# KiCad board led_mapper_850.kicad_pcb (continued)
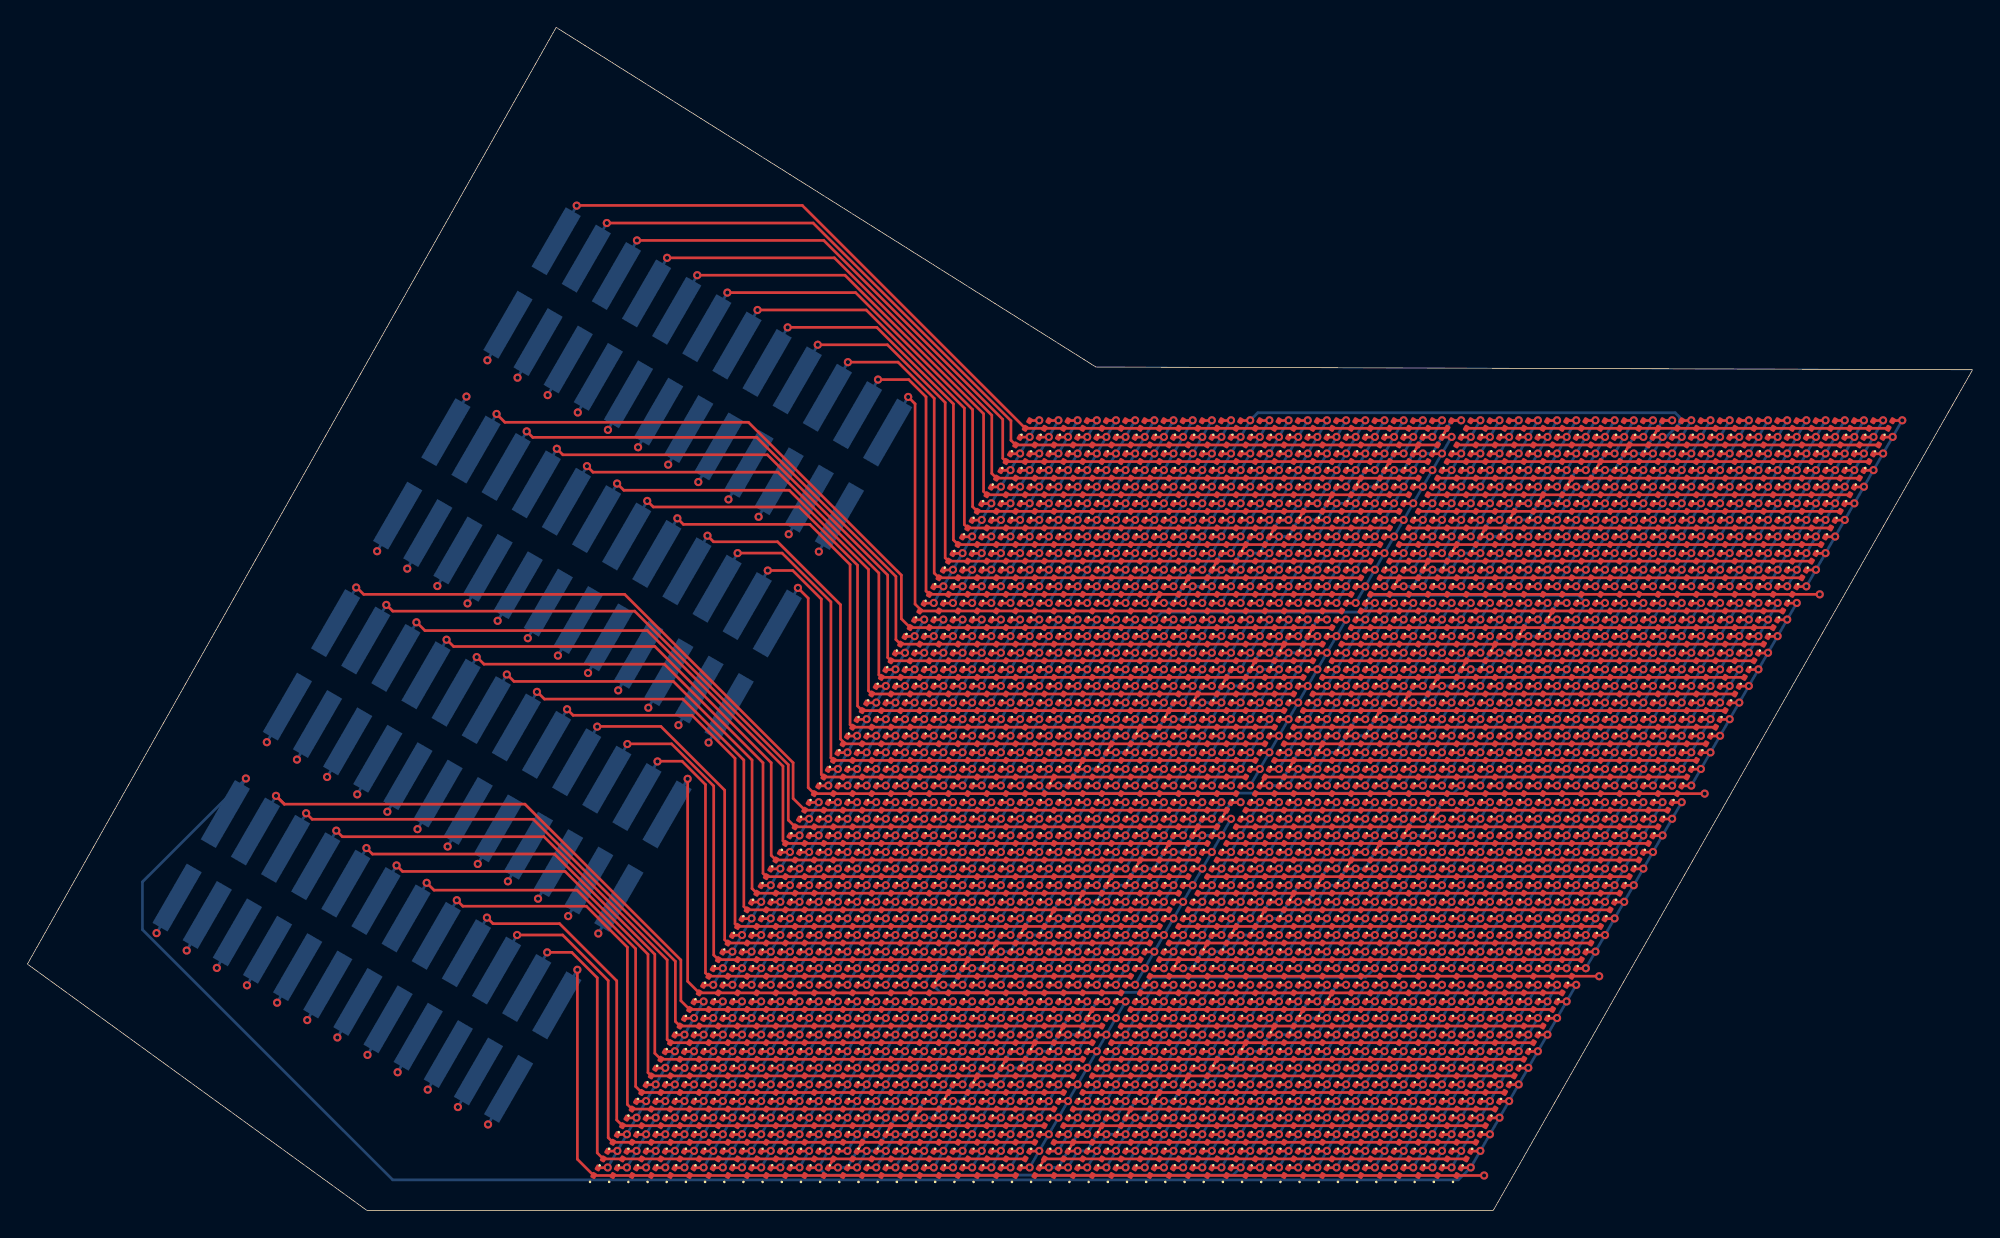
[diagram p0: board, top side]
## Placement (name value [footprint] x y rotation side) (continued)
D954  LED  [LED_0201_0603Metric]  112.9 41.64 60 top
D955  LED  [LED_0201_0603Metric]  111.5 41.64 60 top
D956  LED  [LED_0201_0603Metric]  110.1 41.64 60 top
D957  LED  [LED_0201_0603Metric]  108.7 41.64 60 top
D958  LED  [LED_0201_0603Metric]  107.3 41.64 60 top
D959  LED  [LED_0201_0603Metric]  105.9 41.64 60 top
D960  LED  [LED_0201_0603Metric]  104.5 41.64 60 top
D961  LED  [LED_0201_0603Metric]  103.1 41.64 60 top
D962  LED  [LED_0201_0603Metric]  101.7 41.64 60 top
D963  LED  [LED_0201_0603Metric]  100.3 41.64 60 top
D964  LED  [LED_0201_0603Metric]  98.9 41.64 60 top
D965  LED  [LED_0201_0603Metric]  97.5 41.64 60 top
D966  LED  [LED_0201_0603Metric]  96.1 41.64 60 top
D967  LED  [LED_0201_0603Metric]  94.7 41.64 60 top
D968  LED  [LED_0201_0603Metric]  93.3 41.64 60 top
D969  LED  [LED_0201_0603Metric]  91.9 41.64 60 top
D970  LED  [LED_0201_0603Metric]  90.5 41.64 60 top
D971  LED  [LED_0201_0603Metric]  89.1 41.64 60 top
D972  LED  [LED_0201_0603Metric]  87.7 41.64 60 top
D973  LED  [LED_0201_0603Metric]  86.3 41.64 60 top
D974  LED  [LED_0201_0603Metric]  84.9 41.64 60 top
D975  LED  [LED_0201_0603Metric]  83.5 41.64 60 top
D976  LED  [LED_0201_0603Metric]  82.1 41.64 60 top
D977  LED  [LED_0201_0603Metric]  80.7 41.64 60 top
D978  LED  [LED_0201_0603Metric]  79.3 41.64 60 top
D979  LED  [LED_0201_0603Metric]  77.9 41.64 60 top
D980  LED  [LED_0201_0603Metric]  76.5 41.64 60 top
D981  LED  [LED_0201_0603Metric]  75.1 41.64 60 top
D982  LED  [LED_0201_0603Metric]  73.7 41.64 60 top
D983  LED  [LED_0201_0603Metric]  72.3 41.64 60 top
D984  LED  [LED_0201_0603Metric]  70.9 41.64 60 top
D985  LED  [LED_0201_0603Metric]  69.5 41.64 60 top
D986  LED  [LED_0201_0603Metric]  68.1 41.64 60 top
D987  LED  [LED_0201_0603Metric]  66.7 41.64 60 top
D988  LED  [LED_0201_0603Metric]  65.3 41.64 60 top
D989  LED  [LED_0201_0603Metric]  63.9 41.64 60 top
D990  LED  [LED_0201_0603Metric]  127.6 42.85 60 top
D991  LED  [LED_0201_0603Metric]  126.2 42.85 60 top
D992  LED  [LED_0201_0603Metric]  124.8 42.85 60 top
D993  LED  [LED_0201_0603Metric]  123.4 42.85 60 top
D994  LED  [LED_0201_0603Metric]  122 42.85 60 top
D995  LED  [LED_0201_0603Metric]  120.6 42.85 60 top
D996  LED  [LED_0201_0603Metric]  119.2 42.85 60 top
D997  LED  [LED_0201_0603Metric]  117.8 42.85 60 top
D998  LED  [LED_0201_0603Metric]  116.4 42.85 60 top
D999  LED  [LED_0201_0603Metric]  115 42.85 60 top
D1000  LED  [LED_0201_0603Metric]  113.6 42.85 60 top
D1001  LED  [LED_0201_0603Metric]  112.2 42.85 60 top
D1002  LED  [LED_0201_0603Metric]  110.8 42.85 60 top
D1003  LED  [LED_0201_0603Metric]  109.4 42.85 60 top
D1004  LED  [LED_0201_0603Metric]  108 42.85 60 top
D1005  LED  [LED_0201_0603Metric]  106.6 42.85 60 top
D1006  LED  [LED_0201_0603Metric]  105.2 42.85 60 top
D1007  LED  [LED_0201_0603Metric]  103.8 42.85 60 top
D1008  LED  [LED_0201_0603Metric]  102.4 42.85 60 top
D1009  LED  [LED_0201_0603Metric]  101 42.85 60 top
D1010  LED  [LED_0201_0603Metric]  99.6 42.85 60 top
D1011  LED  [LED_0201_0603Metric]  98.2 42.85 60 top
D1012  LED  [LED_0201_0603Metric]  96.8 42.85 60 top
D1013  LED  [LED_0201_0603Metric]  95.4 42.85 60 top
D1014  LED  [LED_0201_0603Metric]  94 42.85 60 top
D1015  LED  [LED_0201_0603Metric]  92.6 42.85 60 top
D1016  LED  [LED_0201_0603Metric]  91.2 42.85 60 top
D1017  LED  [LED_0201_0603Metric]  89.8 42.85 60 top
D1018  LED  [LED_0201_0603Metric]  88.4 42.85 60 top
D1019  LED  [LED_0201_0603Metric]  87 42.85 60 top
D1020  LED  [LED_0201_0603Metric]  85.6 42.85 60 top
D1021  LED  [LED_0201_0603Metric]  84.2 42.85 60 top
D1022  LED  [LED_0201_0603Metric]  82.8 42.85 60 top
D1023  LED  [LED_0201_0603Metric]  81.4 42.85 60 top
D1024  LED  [LED_0201_0603Metric]  80 42.85 60 top
D1025  LED  [LED_0201_0603Metric]  78.6 42.85 60 top
D1026  LED  [LED_0201_0603Metric]  77.2 42.85 60 top
D1027  LED  [LED_0201_0603Metric]  75.8 42.85 60 top
D1028  LED  [LED_0201_0603Metric]  74.4 42.85 60 top
D1029  LED  [LED_0201_0603Metric]  73 42.85 60 top
D1030  LED  [LED_0201_0603Metric]  71.6 42.85 60 top
D1031  LED  [LED_0201_0603Metric]  70.2 42.85 60 top
D1032  LED  [LED_0201_0603Metric]  68.8 42.85 60 top
D1033  LED  [LED_0201_0603Metric]  67.4 42.85 60 top
D1034  LED  [LED_0201_0603Metric]  66 42.85 60 top
D1035  LED  [LED_0201_0603Metric]  64.6 42.85 60 top
D1036  LED  [LED_0201_0603Metric]  128.3 44.06 60 top
D1037  LED  [LED_0201_0603Metric]  126.9 44.06 60 top
D1038  LED  [LED_0201_0603Metric]  125.5 44.06 60 top
D1039  LED  [LED_0201_0603Metric]  124.1 44.06 60 top
D1040  LED  [LED_0201_0603Metric]  122.7 44.06 60 top
D1041  LED  [LED_0201_0603Metric]  121.3 44.06 60 top
D1042  LED  [LED_0201_0603Metric]  119.9 44.06 60 top
D1043  LED  [LED_0201_0603Metric]  118.5 44.06 60 top
D1044  LED  [LED_0201_0603Metric]  117.1 44.06 60 top
D1045  LED  [LED_0201_0603Metric]  115.7 44.06 60 top
D1046  LED  [LED_0201_0603Metric]  114.3 44.06 60 top
D1047  LED  [LED_0201_0603Metric]  112.9 44.06 60 top
D1048  LED  [LED_0201_0603Metric]  111.5 44.06 60 top
D1049  LED  [LED_0201_0603Metric]  110.1 44.06 60 top
D1050  LED  [LED_0201_0603Metric]  108.7 44.06 60 top
D1051  LED  [LED_0201_0603Metric]  107.3 44.06 60 top
D1052  LED  [LED_0201_0603Metric]  105.9 44.06 60 top
D1053  LED  [LED_0201_0603Metric]  104.5 44.06 60 top
D1054  LED  [LED_0201_0603Metric]  103.1 44.06 60 top
D1055  LED  [LED_0201_0603Metric]  101.7 44.06 60 top
D1056  LED  [LED_0201_0603Metric]  100.3 44.06 60 top
D1057  LED  [LED_0201_0603Metric]  98.9 44.06 60 top
D1058  LED  [LED_0201_0603Metric]  97.5 44.06 60 top
D1059  LED  [LED_0201_0603Metric]  56.9 29.51 60 top
D1060  LED  [LED_0201_0603Metric]  58.3 29.51 60 top
D1061  LED  [LED_0201_0603Metric]  59.7 29.51 60 top
D1062  LED  [LED_0201_0603Metric]  61.1 29.51 60 top
D1063  LED  [LED_0201_0603Metric]  62.5 29.51 60 top
D1064  LED  [LED_0201_0603Metric]  63.9 29.51 60 top
D1065  LED  [LED_0201_0603Metric]  65.3 29.51 60 top
D1066  LED  [LED_0201_0603Metric]  66.7 29.51 60 top
D1067  LED  [LED_0201_0603Metric]  68.1 29.51 60 top
D1068  LED  [LED_0201_0603Metric]  69.5 29.51 60 top
D1069  LED  [LED_0201_0603Metric]  70.9 29.51 60 top
D1070  LED  [LED_0201_0603Metric]  72.3 29.51 60 top
D1071  LED  [LED_0201_0603Metric]  73.7 29.51 60 top
D1072  LED  [LED_0201_0603Metric]  75.1 29.51 60 top
D1073  LED  [LED_0201_0603Metric]  76.5 29.51 60 top
D1074  LED  [LED_0201_0603Metric]  77.9 29.51 60 top
D1075  LED  [LED_0201_0603Metric]  79.3 29.51 60 top
D1076  LED  [LED_0201_0603Metric]  80.7 29.51 60 top
D1077  LED  [LED_0201_0603Metric]  82.1 29.51 60 top
D1078  LED  [LED_0201_0603Metric]  83.5 29.51 60 top
D1079  LED  [LED_0201_0603Metric]  84.9 29.51 60 top
D1080  LED  [LED_0201_0603Metric]  86.3 29.51 60 top
D1081  LED  [LED_0201_0603Metric]  87.7 29.51 60 top
D1082  LED  [LED_0201_0603Metric]  89.1 29.51 60 top
D1083  LED  [LED_0201_0603Metric]  90.5 29.51 60 top
D1084  LED  [LED_0201_0603Metric]  91.9 29.51 60 top
D1085  LED  [LED_0201_0603Metric]  93.3 29.51 60 top
D1086  LED  [LED_0201_0603Metric]  94.7 29.51 60 top
D1087  LED  [LED_0201_0603Metric]  96.1 29.51 60 top
D1088  LED  [LED_0201_0603Metric]  97.5 29.51 60 top
D1089  LED  [LED_0201_0603Metric]  98.9 29.51 60 top
D1090  LED  [LED_0201_0603Metric]  100.3 29.51 60 top
D1091  LED  [LED_0201_0603Metric]  101.7 29.51 60 top
D1092  LED  [LED_0201_0603Metric]  103.1 29.51 60 top
D1093  LED  [LED_0201_0603Metric]  104.5 29.51 60 top
D1094  LED  [LED_0201_0603Metric]  105.9 29.51 60 top
D1095  LED  [LED_0201_0603Metric]  107.3 29.51 60 top
D1096  LED  [LED_0201_0603Metric]  108.7 29.51 60 top
D1097  LED  [LED_0201_0603Metric]  110.1 29.51 60 top
D1098  LED  [LED_0201_0603Metric]  111.5 29.51 60 top
D1099  LED  [LED_0201_0603Metric]  112.9 29.51 60 top
D1100  LED  [LED_0201_0603Metric]  114.3 29.51 60 top
D1101  LED  [LED_0201_0603Metric]  115.7 29.51 60 top
D1102  LED  [LED_0201_0603Metric]  117.1 29.51 60 top
D1103  LED  [LED_0201_0603Metric]  118.5 29.51 60 top
D1104  LED  [LED_0201_0603Metric]  119.9 29.51 60 top
D1105  LED  [LED_0201_0603Metric]  56.2 28.3 60 top
D1106  LED  [LED_0201_0603Metric]  57.6 28.3 60 top
D1107  LED  [LED_0201_0603Metric]  59 28.3 60 top
D1108  LED  [LED_0201_0603Metric]  60.4 28.3 60 top
D1109  LED  [LED_0201_0603Metric]  61.8 28.3 60 top
D1110  LED  [LED_0201_0603Metric]  63.2 28.3 60 top
D1111  LED  [LED_0201_0603Metric]  64.6 28.3 60 top
D1112  LED  [LED_0201_0603Metric]  66 28.3 60 top
D1113  LED  [LED_0201_0603Metric]  67.4 28.3 60 top
D1114  LED  [LED_0201_0603Metric]  68.8 28.3 60 top
D1115  LED  [LED_0201_0603Metric]  70.2 28.3 60 top
D1116  LED  [LED_0201_0603Metric]  71.6 28.3 60 top
D1117  LED  [LED_0201_0603Metric]  73 28.3 60 top
D1118  LED  [LED_0201_0603Metric]  74.4 28.3 60 top
D1119  LED  [LED_0201_0603Metric]  75.8 28.3 60 top
D1120  LED  [LED_0201_0603Metric]  77.2 28.3 60 top
D1121  LED  [LED_0201_0603Metric]  78.6 28.3 60 top
D1122  LED  [LED_0201_0603Metric]  80 28.3 60 top
D1123  LED  [LED_0201_0603Metric]  81.4 28.3 60 top
D1124  LED  [LED_0201_0603Metric]  82.8 28.3 60 top
D1125  LED  [LED_0201_0603Metric]  84.2 28.3 60 top
D1126  LED  [LED_0201_0603Metric]  85.6 28.3 60 top
D1127  LED  [LED_0201_0603Metric]  87 28.3 60 top
D1128  LED  [LED_0201_0603Metric]  88.4 28.3 60 top
D1129  LED  [LED_0201_0603Metric]  89.8 28.3 60 top
D1130  LED  [LED_0201_0603Metric]  91.2 28.3 60 top
D1131  LED  [LED_0201_0603Metric]  92.6 28.3 60 top
D1132  LED  [LED_0201_0603Metric]  94 28.3 60 top
D1133  LED  [LED_0201_0603Metric]  95.4 28.3 60 top
D1134  LED  [LED_0201_0603Metric]  96.8 28.3 60 top
D1135  LED  [LED_0201_0603Metric]  98.2 28.3 60 top
D1136  LED  [LED_0201_0603Metric]  99.6 28.3 60 top
D1137  LED  [LED_0201_0603Metric]  101 28.3 60 top
D1138  LED  [LED_0201_0603Metric]  102.4 28.3 60 top
D1139  LED  [LED_0201_0603Metric]  103.8 28.3 60 top
D1140  LED  [LED_0201_0603Metric]  105.2 28.3 60 top
D1141  LED  [LED_0201_0603Metric]  106.6 28.3 60 top
D1142  LED  [LED_0201_0603Metric]  108 28.3 60 top
D1143  LED  [LED_0201_0603Metric]  109.4 28.3 60 top
D1144  LED  [LED_0201_0603Metric]  110.8 28.3 60 top
D1145  LED  [LED_0201_0603Metric]  112.2 28.3 60 top
D1146  LED  [LED_0201_0603Metric]  113.6 28.3 60 top
D1147  LED  [LED_0201_0603Metric]  115 28.3 60 top
D1148  LED  [LED_0201_0603Metric]  116.4 28.3 60 top
D1149  LED  [LED_0201_0603Metric]  117.8 28.3 60 top
D1150  LED  [LED_0201_0603Metric]  119.2 28.3 60 top
D1151  LED  [LED_0201_0603Metric]  55.5 27.09 60 top
D1152  LED  [LED_0201_0603Metric]  56.9 27.09 60 top
D1153  LED  [LED_0201_0603Metric]  58.3 27.09 60 top
D1154  LED  [LED_0201_0603Metric]  59.7 27.09 60 top
D1155  LED  [LED_0201_0603Metric]  61.1 27.09 60 top
D1156  LED  [LED_0201_0603Metric]  62.5 27.09 60 top
D1157  LED  [LED_0201_0603Metric]  63.9 27.09 60 top
D1158  LED  [LED_0201_0603Metric]  65.3 27.09 60 top
D1159  LED  [LED_0201_0603Metric]  66.7 27.09 60 top
D1160  LED  [LED_0201_0603Metric]  68.1 27.09 60 top
D1161  LED  [LED_0201_0603Metric]  69.5 27.09 60 top
D1162  LED  [LED_0201_0603Metric]  70.9 27.09 60 top
D1163  LED  [LED_0201_0603Metric]  72.3 27.09 60 top
D1164  LED  [LED_0201_0603Metric]  73.7 27.09 60 top
D1165  LED  [LED_0201_0603Metric]  75.1 27.09 60 top
D1166  LED  [LED_0201_0603Metric]  76.5 27.09 60 top
D1167  LED  [LED_0201_0603Metric]  77.9 27.09 60 top
D1168  LED  [LED_0201_0603Metric]  79.3 27.09 60 top
D1169  LED  [LED_0201_0603Metric]  80.7 27.09 60 top
D1170  LED  [LED_0201_0603Metric]  82.1 27.09 60 top
D1171  LED  [LED_0201_0603Metric]  83.5 27.09 60 top
D1172  LED  [LED_0201_0603Metric]  84.9 27.09 60 top
D1173  LED  [LED_0201_0603Metric]  86.3 27.09 60 top
D1174  LED  [LED_0201_0603Metric]  87.7 27.09 60 top
D1175  LED  [LED_0201_0603Metric]  89.1 27.09 60 top
D1176  LED  [LED_0201_0603Metric]  90.5 27.09 60 top
D1177  LED  [LED_0201_0603Metric]  91.9 27.09 60 top
D1178  LED  [LED_0201_0603Metric]  93.3 27.09 60 top
D1179  LED  [LED_0201_0603Metric]  94.7 27.09 60 top
D1180  LED  [LED_0201_0603Metric]  96.1 27.09 60 top
D1181  LED  [LED_0201_0603Metric]  97.5 27.09 60 top
D1182  LED  [LED_0201_0603Metric]  98.9 27.09 60 top
D1183  LED  [LED_0201_0603Metric]  100.3 27.09 60 top
D1184  LED  [LED_0201_0603Metric]  101.7 27.09 60 top
D1185  LED  [LED_0201_0603Metric]  103.1 27.09 60 top
D1186  LED  [LED_0201_0603Metric]  104.5 27.09 60 top
D1187  LED  [LED_0201_0603Metric]  105.9 27.09 60 top
D1188  LED  [LED_0201_0603Metric]  107.3 27.09 60 top
D1189  LED  [LED_0201_0603Metric]  108.7 27.09 60 top
D1190  LED  [LED_0201_0603Metric]  110.1 27.09 60 top
D1191  LED  [LED_0201_0603Metric]  111.5 27.09 60 top
D1192  LED  [LED_0201_0603Metric]  112.9 27.09 60 top
D1193  LED  [LED_0201_0603Metric]  114.3 27.09 60 top
D1194  LED  [LED_0201_0603Metric]  115.7 27.09 60 top
D1195  LED  [LED_0201_0603Metric]  117.1 27.09 60 top
D1196  LED  [LED_0201_0603Metric]  118.5 27.09 60 top
D1197  LED  [LED_0201_0603Metric]  54.8 25.88 60 top
D1198  LED  [LED_0201_0603Metric]  56.2 25.88 60 top
D1199  LED  [LED_0201_0603Metric]  57.6 25.88 60 top
D1200  LED  [LED_0201_0603Metric]  59 25.88 60 top
D1201  LED  [LED_0201_0603Metric]  60.4 25.88 60 top
D1202  LED  [LED_0201_0603Metric]  61.8 25.88 60 top
D1203  LED  [LED_0201_0603Metric]  63.2 25.88 60 top
D1204  LED  [LED_0201_0603Metric]  64.6 25.88 60 top
D1205  LED  [LED_0201_0603Metric]  66 25.88 60 top
D1206  LED  [LED_0201_0603Metric]  67.4 25.88 60 top
D1207  LED  [LED_0201_0603Metric]  68.8 25.88 60 top
D1208  LED  [LED_0201_0603Metric]  70.2 25.88 60 top
D1209  LED  [LED_0201_0603Metric]  71.6 25.88 60 top
D1210  LED  [LED_0201_0603Metric]  73 25.88 60 top
D1211  LED  [LED_0201_0603Metric]  74.4 25.88 60 top
D1212  LED  [LED_0201_0603Metric]  75.8 25.88 60 top
D1213  LED  [LED_0201_0603Metric]  77.2 25.88 60 top
D1214  LED  [LED_0201_0603Metric]  78.6 25.88 60 top
D1215  LED  [LED_0201_0603Metric]  80 25.88 60 top
D1216  LED  [LED_0201_0603Metric]  81.4 25.88 60 top
D1217  LED  [LED_0201_0603Metric]  82.8 25.88 60 top
D1218  LED  [LED_0201_0603Metric]  84.2 25.88 60 top
D1219  LED  [LED_0201_0603Metric]  85.6 25.88 60 top
D1220  LED  [LED_0201_0603Metric]  87 25.88 60 top
D1221  LED  [LED_0201_0603Metric]  88.4 25.88 60 top
D1222  LED  [LED_0201_0603Metric]  89.8 25.88 60 top
D1223  LED  [LED_0201_0603Metric]  91.2 25.88 60 top
D1224  LED  [LED_0201_0603Metric]  92.6 25.88 60 top
D1225  LED  [LED_0201_0603Metric]  94 25.88 60 top
D1226  LED  [LED_0201_0603Metric]  95.4 25.88 60 top
D1227  LED  [LED_0201_0603Metric]  96.8 25.88 60 top
D1228  LED  [LED_0201_0603Metric]  98.2 25.88 60 top
D1229  LED  [LED_0201_0603Metric]  99.6 25.88 60 top
D1230  LED  [LED_0201_0603Metric]  101 25.88 60 top
D1231  LED  [LED_0201_0603Metric]  102.4 25.88 60 top
D1232  LED  [LED_0201_0603Metric]  103.8 25.88 60 top
D1233  LED  [LED_0201_0603Metric]  105.2 25.88 60 top
D1234  LED  [LED_0201_0603Metric]  106.6 25.88 60 top
D1235  LED  [LED_0201_0603Metric]  108 25.88 60 top
D1236  LED  [LED_0201_0603Metric]  109.4 25.88 60 top
D1237  LED  [LED_0201_0603Metric]  110.8 25.88 60 top
D1238  LED  [LED_0201_0603Metric]  112.2 25.88 60 top
D1239  LED  [LED_0201_0603Metric]  113.6 25.88 60 top
D1240  LED  [LED_0201_0603Metric]  115 25.88 60 top
D1241  LED  [LED_0201_0603Metric]  116.4 25.88 60 top
D1242  LED  [LED_0201_0603Metric]  117.8 25.88 60 top
D1243  LED  [LED_0201_0603Metric]  54.1 24.66 60 top
D1244  LED  [LED_0201_0603Metric]  55.5 24.66 60 top
D1245  LED  [LED_0201_0603Metric]  56.9 24.66 60 top
D1246  LED  [LED_0201_0603Metric]  58.3 24.66 60 top
D1247  LED  [LED_0201_0603Metric]  59.7 24.66 60 top
D1248  LED  [LED_0201_0603Metric]  61.1 24.66 60 top
D1249  LED  [LED_0201_0603Metric]  62.5 24.66 60 top
D1250  LED  [LED_0201_0603Metric]  63.9 24.66 60 top
D1251  LED  [LED_0201_0603Metric]  65.3 24.66 60 top
D1252  LED  [LED_0201_0603Metric]  66.7 24.66 60 top
D1253  LED  [LED_0201_0603Metric]  68.1 24.66 60 top
D1254  LED  [LED_0201_0603Metric]  69.5 24.66 60 top
D1255  LED  [LED_0201_0603Metric]  70.9 24.66 60 top
D1256  LED  [LED_0201_0603Metric]  72.3 24.66 60 top
D1257  LED  [LED_0201_0603Metric]  73.7 24.66 60 top
D1258  LED  [LED_0201_0603Metric]  75.1 24.66 60 top
D1259  LED  [LED_0201_0603Metric]  76.5 24.66 60 top
D1260  LED  [LED_0201_0603Metric]  77.9 24.66 60 top
D1261  LED  [LED_0201_0603Metric]  79.3 24.66 60 top
D1262  LED  [LED_0201_0603Metric]  80.7 24.66 60 top
D1263  LED  [LED_0201_0603Metric]  82.1 24.66 60 top
D1264  LED  [LED_0201_0603Metric]  83.5 24.66 60 top
D1265  LED  [LED_0201_0603Metric]  84.9 24.66 60 top
D1266  LED  [LED_0201_0603Metric]  86.3 24.66 60 top
D1267  LED  [LED_0201_0603Metric]  87.7 24.66 60 top
D1268  LED  [LED_0201_0603Metric]  89.1 24.66 60 top
D1269  LED  [LED_0201_0603Metric]  90.5 24.66 60 top
D1270  LED  [LED_0201_0603Metric]  91.9 24.66 60 top
D1271  LED  [LED_0201_0603Metric]  93.3 24.66 60 top
D1272  LED  [LED_0201_0603Metric]  94.7 24.66 60 top
D1273  LED  [LED_0201_0603Metric]  96.1 24.66 60 top
D1274  LED  [LED_0201_0603Metric]  97.5 24.66 60 top
D1275  LED  [LED_0201_0603Metric]  98.9 24.66 60 top
D1276  LED  [LED_0201_0603Metric]  100.3 24.66 60 top
D1277  LED  [LED_0201_0603Metric]  101.7 24.66 60 top
D1278  LED  [LED_0201_0603Metric]  103.1 24.66 60 top
D1279  LED  [LED_0201_0603Metric]  104.5 24.66 60 top
D1280  LED  [LED_0201_0603Metric]  105.9 24.66 60 top
D1281  LED  [LED_0201_0603Metric]  107.3 24.66 60 top
D1282  LED  [LED_0201_0603Metric]  108.7 24.66 60 top
D1283  LED  [LED_0201_0603Metric]  110.1 24.66 60 top
D1284  LED  [LED_0201_0603Metric]  111.5 24.66 60 top
D1285  LED  [LED_0201_0603Metric]  112.9 24.66 60 top
D1286  LED  [LED_0201_0603Metric]  114.3 24.66 60 top
D1287  LED  [LED_0201_0603Metric]  115.7 24.66 60 top
D1288  LED  [LED_0201_0603Metric]  117.1 24.66 60 top
D1289  LED  [LED_0201_0603Metric]  53.4 23.45 60 top
D1290  LED  [LED_0201_0603Metric]  54.8 23.45 60 top
D1291  LED  [LED_0201_0603Metric]  56.2 23.45 60 top
D1292  LED  [LED_0201_0603Metric]  57.6 23.45 60 top
D1293  LED  [LED_0201_0603Metric]  59 23.45 60 top
D1294  LED  [LED_0201_0603Metric]  60.4 23.45 60 top
D1295  LED  [LED_0201_0603Metric]  61.8 23.45 60 top
D1296  LED  [LED_0201_0603Metric]  63.2 23.45 60 top
D1297  LED  [LED_0201_0603Metric]  64.6 23.45 60 top
D1298  LED  [LED_0201_0603Metric]  66 23.45 60 top
D1299  LED  [LED_0201_0603Metric]  67.4 23.45 60 top
D1300  LED  [LED_0201_0603Metric]  68.8 23.45 60 top
D1301  LED  [LED_0201_0603Metric]  70.2 23.45 60 top
D1302  LED  [LED_0201_0603Metric]  71.6 23.45 60 top
D1303  LED  [LED_0201_0603Metric]  73 23.45 60 top
D1304  LED  [LED_0201_0603Metric]  74.4 23.45 60 top
D1305  LED  [LED_0201_0603Metric]  75.8 23.45 60 top
D1306  LED  [LED_0201_0603Metric]  77.2 23.45 60 top
D1307  LED  [LED_0201_0603Metric]  78.6 23.45 60 top
D1308  LED  [LED_0201_0603Metric]  80 23.45 60 top
D1309  LED  [LED_0201_0603Metric]  81.4 23.45 60 top
D1310  LED  [LED_0201_0603Metric]  82.8 23.45 60 top
D1311  LED  [LED_0201_0603Metric]  84.2 23.45 60 top
D1312  LED  [LED_0201_0603Metric]  85.6 23.45 60 top
D1313  LED  [LED_0201_0603Metric]  87 23.45 60 top
D1314  LED  [LED_0201_0603Metric]  88.4 23.45 60 top
D1315  LED  [LED_0201_0603Metric]  89.8 23.45 60 top
D1316  LED  [LED_0201_0603Metric]  91.2 23.45 60 top
D1317  LED  [LED_0201_0603Metric]  92.6 23.45 60 top
D1318  LED  [LED_0201_0603Metric]  94 23.45 60 top
D1319  LED  [LED_0201_0603Metric]  95.4 23.45 60 top
D1320  LED  [LED_0201_0603Metric]  96.8 23.45 60 top
D1321  LED  [LED_0201_0603Metric]  98.2 23.45 60 top
D1322  LED  [LED_0201_0603Metric]  99.6 23.45 60 top
D1323  LED  [LED_0201_0603Metric]  101 23.45 60 top
D1324  LED  [LED_0201_0603Metric]  102.4 23.45 60 top
D1325  LED  [LED_0201_0603Metric]  103.8 23.45 60 top
D1326  LED  [LED_0201_0603Metric]  105.2 23.45 60 top
D1327  LED  [LED_0201_0603Metric]  106.6 23.45 60 top
D1328  LED  [LED_0201_0603Metric]  108 23.45 60 top
D1329  LED  [LED_0201_0603Metric]  109.4 23.45 60 top
D1330  LED  [LED_0201_0603Metric]  110.8 23.45 60 top
D1331  LED  [LED_0201_0603Metric]  112.2 23.45 60 top
D1332  LED  [LED_0201_0603Metric]  113.6 23.45 60 top
D1333  LED  [LED_0201_0603Metric]  115 23.45 60 top
D1334  LED  [LED_0201_0603Metric]  116.4 23.45 60 top
D1335  LED  [LED_0201_0603Metric]  52.7 22.24 60 top
D1336  LED  [LED_0201_0603Metric]  54.1 22.24 60 top
D1337  LED  [LED_0201_0603Metric]  55.5 22.24 60 top
D1338  LED  [LED_0201_0603Metric]  56.9 22.24 60 top
D1339  LED  [LED_0201_0603Metric]  58.3 22.24 60 top
D1340  LED  [LED_0201_0603Metric]  59.7 22.24 60 top
D1341  LED  [LED_0201_0603Metric]  61.1 22.24 60 top
D1342  LED  [LED_0201_0603Metric]  62.5 22.24 60 top
D1343  LED  [LED_0201_0603Metric]  63.9 22.24 60 top
D1344  LED  [LED_0201_0603Metric]  65.3 22.24 60 top
D1345  LED  [LED_0201_0603Metric]  66.7 22.24 60 top
D1346  LED  [LED_0201_0603Metric]  68.1 22.24 60 top
D1347  LED  [LED_0201_0603Metric]  69.5 22.24 60 top
D1348  LED  [LED_0201_0603Metric]  70.9 22.24 60 top
D1349  LED  [LED_0201_0603Metric]  72.3 22.24 60 top
D1350  LED  [LED_0201_0603Metric]  73.7 22.24 60 top
D1351  LED  [LED_0201_0603Metric]  75.1 22.24 60 top
D1352  LED  [LED_0201_0603Metric]  76.5 22.24 60 top
D1353  LED  [LED_0201_0603Metric]  77.9 22.24 60 top
D1354  LED  [LED_0201_0603Metric]  79.3 22.24 60 top
D1355  LED  [LED_0201_0603Metric]  80.7 22.24 60 top
D1356  LED  [LED_0201_0603Metric]  82.1 22.24 60 top
D1357  LED  [LED_0201_0603Metric]  83.5 22.24 60 top
D1358  LED  [LED_0201_0603Metric]  84.9 22.24 60 top
D1359  LED  [LED_0201_0603Metric]  86.3 22.24 60 top
D1360  LED  [LED_0201_0603Metric]  87.7 22.24 60 top
D1361  LED  [LED_0201_0603Metric]  89.1 22.24 60 top
D1362  LED  [LED_0201_0603Metric]  90.5 22.24 60 top
D1363  LED  [LED_0201_0603Metric]  91.9 22.24 60 top
D1364  LED  [LED_0201_0603Metric]  93.3 22.24 60 top
D1365  LED  [LED_0201_0603Metric]  94.7 22.24 60 top
D1366  LED  [LED_0201_0603Metric]  96.1 22.24 60 top
D1367  LED  [LED_0201_0603Metric]  97.5 22.24 60 top
D1368  LED  [LED_0201_0603Metric]  98.9 22.24 60 top
D1369  LED  [LED_0201_0603Metric]  100.3 22.24 60 top
D1370  LED  [LED_0201_0603Metric]  101.7 22.24 60 top
D1371  LED  [LED_0201_0603Metric]  103.1 22.24 60 top
D1372  LED  [LED_0201_0603Metric]  104.5 22.24 60 top
D1373  LED  [LED_0201_0603Metric]  105.9 22.24 60 top
D1374  LED  [LED_0201_0603Metric]  107.3 22.24 60 top
D1375  LED  [LED_0201_0603Metric]  108.7 22.24 60 top
D1376  LED  [LED_0201_0603Metric]  110.1 22.24 60 top
D1377  LED  [LED_0201_0603Metric]  111.5 22.24 60 top
D1378  LED  [LED_0201_0603Metric]  112.9 22.24 60 top
D1379  LED  [LED_0201_0603Metric]  114.3 22.24 60 top
D1380  LED  [LED_0201_0603Metric]  115.7 22.24 60 top
D1381  LED  [LED_0201_0603Metric]  52 21.03 60 top
D1382  LED  [LED_0201_0603Metric]  53.4 21.03 60 top
D1383  LED  [LED_0201_0603Metric]  54.8 21.03 60 top
D1384  LED  [LED_0201_0603Metric]  56.2 21.03 60 top
D1385  LED  [LED_0201_0603Metric]  57.6 21.03 60 top
D1386  LED  [LED_0201_0603Metric]  59 21.03 60 top
D1387  LED  [LED_0201_0603Metric]  60.4 21.03 60 top
D1388  LED  [LED_0201_0603Metric]  61.8 21.03 60 top
D1389  LED  [LED_0201_0603Metric]  63.2 21.03 60 top
D1390  LED  [LED_0201_0603Metric]  64.6 21.03 60 top
D1391  LED  [LED_0201_0603Metric]  66 21.03 60 top
D1392  LED  [LED_0201_0603Metric]  67.4 21.03 60 top
D1393  LED  [LED_0201_0603Metric]  68.8 21.03 60 top
D1394  LED  [LED_0201_0603Metric]  70.2 21.03 60 top
D1395  LED  [LED_0201_0603Metric]  71.6 21.03 60 top
D1396  LED  [LED_0201_0603Metric]  73 21.03 60 top
D1397  LED  [LED_0201_0603Metric]  74.4 21.03 60 top
D1398  LED  [LED_0201_0603Metric]  75.8 21.03 60 top
D1399  LED  [LED_0201_0603Metric]  77.2 21.03 60 top
D1400  LED  [LED_0201_0603Metric]  78.6 21.03 60 top
D1401  LED  [LED_0201_0603Metric]  80 21.03 60 top
D1402  LED  [LED_0201_0603Metric]  81.4 21.03 60 top
D1403  LED  [LED_0201_0603Metric]  82.8 21.03 60 top
D1404  LED  [LED_0201_0603Metric]  84.2 21.03 60 top
D1405  LED  [LED_0201_0603Metric]  85.6 21.03 60 top
D1406  LED  [LED_0201_0603Metric]  87 21.03 60 top
D1407  LED  [LED_0201_0603Metric]  88.4 21.03 60 top
D1408  LED  [LED_0201_0603Metric]  89.8 21.03 60 top
D1409  LED  [LED_0201_0603Metric]  91.2 21.03 60 top
D1410  LED  [LED_0201_0603Metric]  92.6 21.03 60 top
D1411  LED  [LED_0201_0603Metric]  94 21.03 60 top
D1412  LED  [LED_0201_0603Metric]  95.4 21.03 60 top
D1413  LED  [LED_0201_0603Metric]  96.8 21.03 60 top
D1414  LED  [LED_0201_0603Metric]  98.2 21.03 60 top
D1415  LED  [LED_0201_0603Metric]  99.6 21.03 60 top
D1416  LED  [LED_0201_0603Metric]  101 21.03 60 top
D1417  LED  [LED_0201_0603Metric]  102.4 21.03 60 top
D1418  LED  [LED_0201_0603Metric]  103.8 21.03 60 top
D1419  LED  [LED_0201_0603Metric]  105.2 21.03 60 top
D1420  LED  [LED_0201_0603Metric]  106.6 21.03 60 top
D1421  LED  [LED_0201_0603Metric]  108 21.03 60 top
D1422  LED  [LED_0201_0603Metric]  109.4 21.03 60 top
D1423  LED  [LED_0201_0603Metric]  110.8 21.03 60 top